# KiCad board SparkFun_BlueSMiRF-ESP32-PTH_panelized.kicad_pcb (continued)
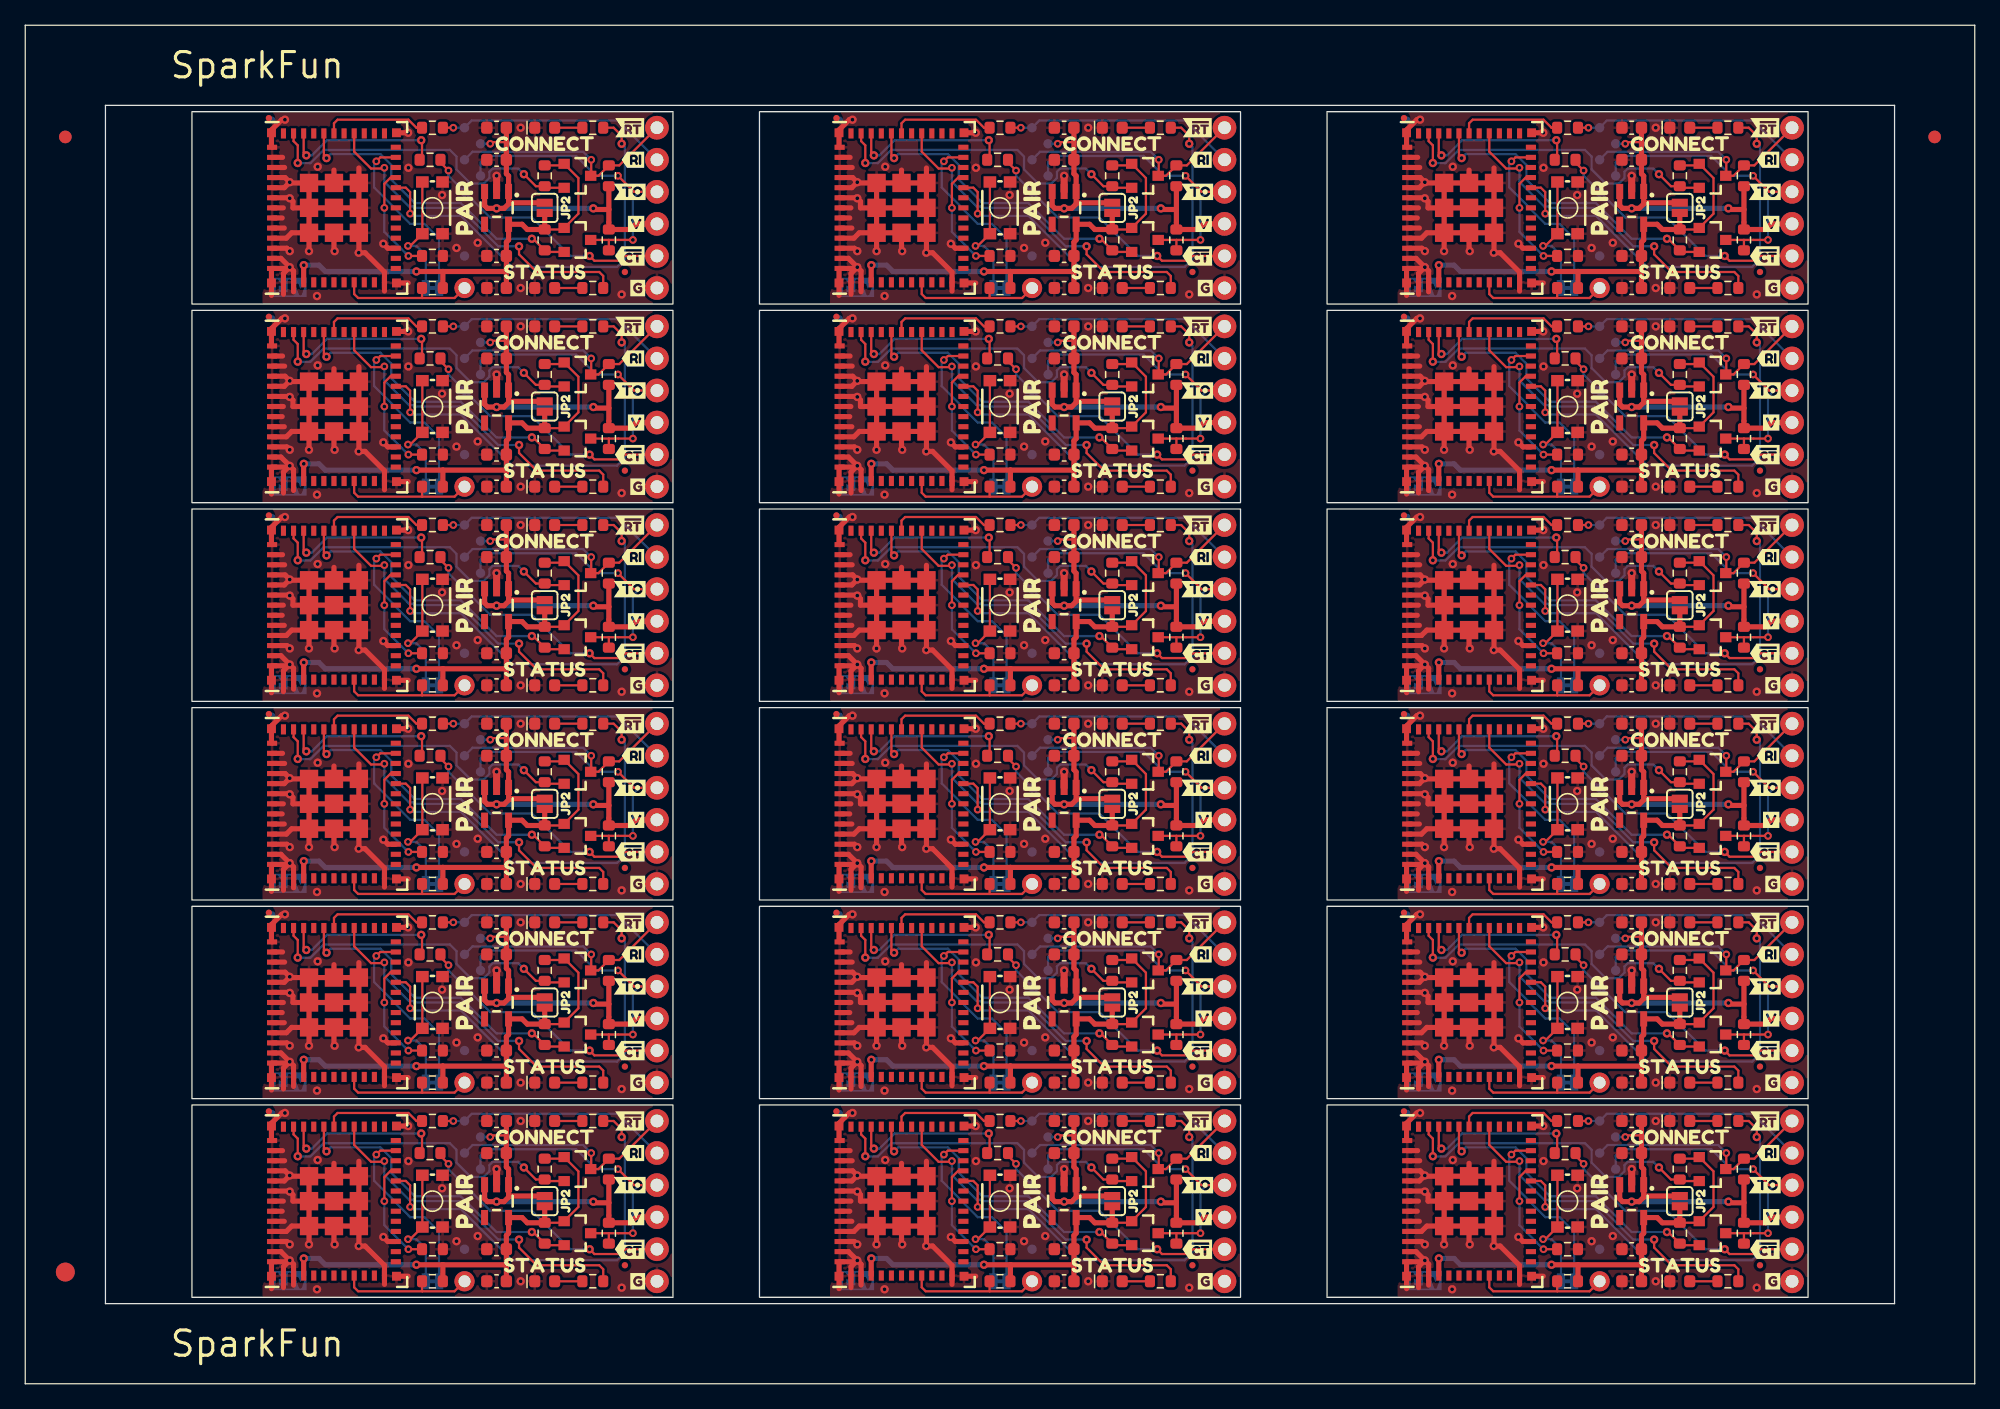
[diagram p0: board, top side]
## Routing (per net, layer and track width the routed paths; a pad name or vN(x,y) marks a point on that pad's centre or on a via; arc(x,y) is an arc through that point) (continued)
  Bottom w0.178: v1(68.81,81.37) 69.13,81.69 73.08,81.69 73.94,80.83 73.94,79.68 75.74,77.87 75.8,77.87 75.87,77.81 79.44,77.81 82.27,74.98 v1(85.07,74.98) ; v1(85.07,43.5) 82.27,43.5 79.44,46.33 75.87,46.33 75.8,46.39 75.74,46.39 73.94,48.2 73.94,49.35 73.08,50.21 69.13,50.21 v1(68.81,49.89) ; v1(85.07,59.24) 82.27,59.24 79.44,62.07 75.87,62.07 75.8,62.13 75.74,62.13 73.94,63.94 73.94,65.09 73.08,65.95 69.13,65.95 v1(68.81,65.63) ; v1(40.12,74.98) 37.32,74.98 34.49,77.81 30.92,77.81 30.85,77.87 30.79,77.87 28.99,79.68 28.99,80.83 28.13,81.69 24.18,81.69 v1(23.86,81.37) ; v1(113.76,65.63) 114.08,65.95 118.03,65.95 118.89,65.09 118.89,63.94 120.69,62.13 120.75,62.13 120.82,62.07 124.39,62.07 127.22,59.24 v1(130.02,59.24) ; v1(113.76,18.41) 114.08,18.73 118.03,18.73 118.89,17.87 118.89,16.72 120.69,14.91 120.75,14.91 120.82,14.85 124.39,14.85 127.22,12.02 v1(130.02,12.02) ; v1(130.02,90.72) 127.22,90.72 124.39,93.55 120.82,93.55 120.75,93.61 120.69,93.61 118.89,95.42 118.89,96.57 118.03,97.43 114.08,97.43 v1(113.76,97.11) ; v1(40.12,59.24) 37.32,59.24 34.49,62.07 30.92,62.07 30.85,62.13 30.79,62.13 28.99,63.94 28.99,65.09 28.13,65.95 24.18,65.95 v1(23.86,65.63) ; v1(23.86,18.41) 24.18,18.73 28.13,18.73 28.99,17.87 28.99,16.72 30.79,14.91 30.85,14.91 30.92,14.85 34.49,14.85 37.32,12.02 v1(40.12,12.02) ; v1(40.12,43.5) 37.32,43.5 34.49,46.33 30.92,46.33 30.85,46.39 30.79,46.39 28.99,48.2 28.99,49.35 28.13,50.21 24.18,50.21 v1(23.86,49.89) ; v1(130.02,43.5) 127.22,43.5 124.39,46.33 120.82,46.33 120.75,46.39 120.69,46.39 118.89,48.2 118.89,49.35 118.03,50.21 114.08,50.21 v1(113.76,49.89) ; v1(23.86,97.11) 24.18,97.43 28.13,97.43 28.99,96.57 28.99,95.42 30.79,93.61 30.85,93.61 30.92,93.55 34.49,93.55 37.32,90.72 v1(40.12,90.72) ; v1(40.12,27.76) 37.32,27.76 34.49,30.59 30.92,30.59 30.85,30.65 30.79,30.65 28.99,32.46 28.99,33.61 28.13,34.47 24.18,34.47 v1(23.86,34.15) ; v1(113.76,34.15) 114.08,34.47 118.03,34.47 118.89,33.61 118.89,32.46 120.69,30.65 120.75,30.65 120.82,30.59 124.39,30.59 127.22,27.76 v1(130.02,27.76) ; v1(85.07,12.02) 82.27,12.02 79.44,14.85 75.87,14.85 75.8,14.91 75.74,14.91 73.94,16.72 73.94,17.87 73.08,18.73 69.13,18.73 v1(68.81,18.41) ; v1(68.81,34.15) 69.13,34.47 73.08,34.47 73.94,33.61 73.94,32.46 75.74,30.65 75.8,30.65 75.87,30.59 79.44,30.59 82.27,27.76 v1(85.07,27.76) ; v1(130.02,74.98) 127.22,74.98 124.39,77.81 120.82,77.81 120.75,77.87 120.69,77.87 118.89,79.68 118.89,80.83 118.03,81.69 114.08,81.69 v1(113.76,81.37) ; v1(85.07,90.72) 82.27,90.72 79.44,93.55 75.87,93.55 75.8,93.61 75.74,93.61 73.94,95.42 73.94,96.57 73.08,97.43 69.13,97.43 v1(68.81,97.11)
~{CTS_HV}: length 377.8
  Top w0.178: v2(33.52,96.13) 32.88,96.76 R4#9.2 ; R4#6.2 32.88,33.8 v2(33.52,33.17) ; v1(44.7,73.62) 45.08,73.24 47.11,73.24 47.49,73.62 J1#11.5 ; 77.84,96.98 77.84,96.76 v2(78.47,96.13) ; R4#8.2 32.88,81.02 v2(33.52,80.39) ; v1(44.7,10.66) 45.08,10.28 47.11,10.28 47.49,10.66 J1#18.5 ; v1(44.7,42.14) 45.08,41.76 47.11,41.76 47.49,42.14 J1#3.5 ; J1.5 92.44,57.88 92.06,57.5 90.03,57.5 v1(89.65,57.88) ; R4#5.2 122.78,18.06 v2(123.42,17.43) ; 77.84,34.02 77.84,33.8 v2(78.47,33.17) ; R4#14.2 122.78,81.02 v2(123.42,80.39) ; v2(123.42,64.65) 122.78,65.28 R4#17.2 ; J1#9.5 137.39,42.14 137.01,41.76 134.98,41.76 v1(134.6,42.14) ; v1(89.65,10.66) 90.03,10.28 92.06,10.28 92.44,10.66 J1#8.5 ; v2(78.47,64.65) 77.84,65.28 77.84,65.5 ; v2(123.42,48.91) 122.78,49.54 R4#16.2 ; R4#15.2 122.78,33.8 v2(123.42,33.17) ; J1#15.5 92.44,42.14 92.06,41.76 90.03,41.76 v1(89.65,42.14) ; J1#6.5 137.39,10.66 137.01,10.28 134.98,10.28 v1(134.6,10.66) ; v1(89.65,73.62) 90.03,73.24 92.06,73.24 92.44,73.62 J1#5.5 ; R4#18.2 32.88,18.06 v2(33.52,17.43) ; J1#17.5 137.39,73.62 137.01,73.24 134.98,73.24 v1(134.6,73.62) ; J1#2.5 137.39,26.4 137.01,26.02 134.98,26.02 v1(134.6,26.4) ; J1#13.5 92.44,89.36 92.06,88.98 90.03,88.98 v1(89.65,89.36) ; J1#10.5 47.49,26.4 47.11,26.02 45.08,26.02 v1(44.7,26.4) ; v1(134.6,57.88) 134.98,57.5 137.01,57.5 137.39,57.88 J1#14.5 ; 77.84,18.28 77.84,18.06 v2(78.47,17.43) ; J1#4.5 47.49,57.88 47.11,57.5 45.08,57.5 v1(44.7,57.88) ; v2(78.47,48.91) 77.84,49.54 77.84,49.76 ; 77.84,81.24 77.84,81.02 v2(78.47,80.39) ; v2(33.52,48.91) 32.88,49.54 R4.2 ; v1(134.6,89.36) 134.98,88.98 137.01,88.98 137.39,89.36 J1#16.5 ; v2(123.42,96.13) 122.78,96.76 R4#13.2 ; v2(33.52,64.65) 32.88,65.28 R4#7.2 ; v1(89.65,26.4) 90.03,26.02 92.06,26.02 92.44,26.4 J1#12.5 ; v1(44.7,89.36) 45.08,88.98 47.11,88.98 47.49,89.36 J1#7.5
  Bottom w0.178: v1(134.6,10.66) 133.07,10.66 130.02,13.71 126.72,13.71 TP3#11.1 123.42,17.01 v2(123.42,17.43) ; v2(33.52,96.13) 33.52,95.71 TP3#8.1 36.82,92.41 40.12,92.41 43.17,89.36 v1(44.7,89.36) ; v2(123.42,48.91) 123.42,48.49 TP3#14.1 126.72,45.19 130.02,45.19 133.07,42.14 v1(134.6,42.14) ; v2(78.47,17.43) 78.47,17.01 TP3#2.1 81.77,13.71 85.07,13.71 88.12,10.66 v1(89.65,10.66) ; v1(89.65,57.88) 88.12,57.88 85.07,60.93 81.77,60.93 TP3#10.1 78.47,64.23 v2(78.47,64.65) ; v1(44.7,42.14) 43.17,42.14 40.12,45.19 36.82,45.19 TP3#6.1 33.52,48.49 v2(33.52,48.91) ; v1(89.65,42.14) 88.12,42.14 85.07,45.19 81.77,45.19 TP3#3.1 78.47,48.49 v2(78.47,48.91) ; v1(89.65,89.36) 88.12,89.36 85.07,92.41 81.77,92.41 TP3#16.1 78.47,95.71 v2(78.47,96.13) ; v1(134.6,57.88) 133.07,57.88 130.02,60.93 126.72,60.93 TP3#12.1 123.42,64.23 v2(123.42,64.65) ; v1(44.7,73.62) 43.17,73.62 40.12,76.67 36.82,76.67 TP3#5.1 33.52,79.97 v2(33.52,80.39) ; v1(89.65,26.4) 88.12,26.4 85.07,29.45 81.77,29.45 TP3#9.1 78.47,32.75 v2(78.47,33.17) ; v1(134.6,26.4) 133.07,26.4 130.02,29.45 126.72,29.45 TP3#17.1 123.42,32.75 v2(123.42,33.17) ; v1(44.7,26.4) 43.17,26.4 40.12,29.45 36.82,29.45 TP3#7.1 33.52,32.75 v2(33.52,33.17) ; v1(134.6,89.36) 133.07,89.36 130.02,92.41 126.72,92.41 TP3#15.1 123.42,95.71 v2(123.42,96.13) ; v2(33.52,17.43) 33.52,17.01 TP3#18.1 36.82,13.71 40.12,13.71 43.17,10.66 v1(44.7,10.66) ; v2(78.47,80.39) 78.47,79.97 TP3#4.1 81.77,76.67 85.07,76.67 88.12,73.62 v1(89.65,73.62) ; v2(33.52,64.65) 33.52,64.23 TP3.1 36.82,60.93 40.12,60.93 43.17,57.88 v1(44.7,57.88) ; v1(134.6,73.62) 133.07,73.62 130.02,76.67 126.72,76.67 TP3#13.1 123.42,79.97 v2(123.42,80.39)
~{CTS_LV}: length 234
  Top w0.178: 76.38,81.24 76.38,82.73 v1(76.31,82.79) ; v1(67.21,81.59) 67,81.8 U1#17.33 ; v1(22.26,50.11) 22.05,50.32 U1#2.33 ; U1#14.33 22.05,81.8 v1(22.26,81.59) ; 31.42,18.28 31.42,19.77 v1(31.36,19.83) ; 121.32,49.76 121.32,51.25 v1(121.26,51.31) ; v1(22.26,34.37) 22.05,34.58 U1.33 ; 76.38,34.02 76.38,35.51 v1(76.31,35.57) ; 31.42,81.24 31.42,82.73 v1(31.36,82.79) ; v1(67.21,50.11) 67,50.32 U1#12.33 ; U1#5.33 111.95,34.58 v1(112.16,34.37) ; 76.38,18.28 76.38,19.77 v1(76.31,19.83) ; 121.32,65.5 121.32,66.99 v1(121.26,67.05) ; v1(22.26,97.33) 22.05,97.54 U1#11.33 ; v1(112.16,81.59) 111.95,81.8 U1#10.33 ; 31.42,49.76 31.42,51.25 v1(31.36,51.31) ; v1(112.16,18.63) 111.95,18.84 U1#4.33 ; 121.32,96.98 121.32,98.47 v1(121.26,98.53) ; U1#3.33 22.05,66.06 v1(22.26,65.85) ; v1(67.21,65.85) 67,66.06 U1#6.33 ; v1(67.21,34.37) 67,34.58 U1#16.33 ; v1(31.36,67.05) 31.42,66.99 31.42,65.5 ; v1(121.26,82.79) 121.32,82.73 121.32,81.24 ; 76.38,96.98 76.38,98.47 v1(76.31,98.53) ; U1#8.33 67,18.84 v1(67.21,18.63) ; 76.38,65.5 76.38,66.99 v1(76.31,67.05) ; v1(121.26,35.57) 121.32,35.51 121.32,34.02 ; v1(22.26,18.63) 22.05,18.84 U1#18.33 ; 31.42,96.98 31.42,98.47 v1(31.36,98.53) ; v1(76.31,51.31) 76.38,51.25 76.38,49.76 ; U1#15.33 111.95,97.54 v1(112.16,97.33) ; v1(112.16,65.85) 111.95,66.06 U1#7.33 ; v1(121.26,19.83) 121.32,19.77 121.32,18.28 ; U1#9.33 67,97.54 v1(67.21,97.33) ; 31.42,34.02 31.42,35.51 v1(31.36,35.57) ; v1(112.16,50.11) 111.95,50.32 U1#13.33
  Bottom w0.178: v1(112.16,34.37) 112.6,34.37 113.8,35.57 v1(121.26,35.57) ; v1(67.21,34.37) 67.65,34.37 68.85,35.57 v1(76.31,35.57) ; v1(31.36,82.79) 23.9,82.79 22.7,81.59 v1(22.26,81.59) ; v1(31.36,98.53) 23.9,98.53 22.7,97.33 v1(22.26,97.33) ; v1(76.31,19.83) 68.85,19.83 67.65,18.63 v1(67.21,18.63) ; v1(67.21,81.59) 67.65,81.59 68.85,82.79 v1(76.31,82.79) ; v1(22.26,65.85) 22.7,65.85 23.9,67.05 v1(31.36,67.05) ; v1(112.16,81.59) 112.6,81.59 113.8,82.79 v1(121.26,82.79) ; v1(22.26,50.11) 22.7,50.11 23.9,51.31 v1(31.36,51.31) ; v1(112.16,18.63) 112.6,18.63 113.8,19.83 v1(121.26,19.83) ; v1(31.36,35.57) 23.9,35.57 22.7,34.37 v1(22.26,34.37) ; v1(76.31,98.53) 68.85,98.53 67.65,97.33 v1(67.21,97.33) ; v1(121.26,98.53) 113.8,98.53 112.6,97.33 v1(112.16,97.33) ; v1(22.26,18.63) 22.7,18.63 23.9,19.83 v1(31.36,19.83) ; v1(121.26,67.05) 113.8,67.05 112.6,65.85 v1(112.16,65.85) ; v1(67.21,65.85) 67.65,65.85 68.85,67.05 v1(76.31,67.05) ; v1(76.31,51.31) 68.85,51.31 67.65,50.11 v1(67.21,50.11) ; v1(112.16,50.11) 112.6,50.11 113.8,51.31 v1(121.26,51.31)
~{RTS_HV}: length 336.2
  Top w0.178: v2(134.72,65.5) 134.72,64.27 Q2#16.3 135.29,64.23 R10#7.2 136.94,65.06 J1#14.1 ; v2(44.82,18.28) 44.82,17.05 Q2#18.3 45.4,17.01 R10#18.2 47.04,17.84 J1#18.1 ; v2(134.72,81.24) 134.72,80.01 Q2#5.3 135.29,79.97 R10#3.2 136.94,80.8 J1#17.1 ; v2(89.77,81.24) 89.77,80.01 Q2#2.3 90.34,79.97 R10#15.2 92,80.8 J1#5.1 ; J1#9.1 136.94,49.32 R10#2.2 135.29,48.49 Q2#15.3 134.72,48.53 v2(134.72,49.76) ; J1#4.1 47.04,65.06 R10#10.2 45.4,64.23 Q2#6.3 44.82,64.27 v2(44.82,65.5) ; v2(134.72,34.02) 134.72,32.79 Q2#14.3 135.29,32.75 R10#4.2 136.94,33.58 J1#2.1 ; J1#6.1 136.94,17.84 R10#13.2 135.29,17.01 Q2#13.3 134.72,17.05 v2(134.72,18.28) ; v2(89.77,18.28) 89.77,17.05 Q2#8.3 90.34,17.01 R10#14.2 92,17.84 J1#8.1 ; J1.1 92,65.06 R10#11.2 90.34,64.23 Q2#4.3 89.77,64.27 v2(89.77,65.5) ; J1#11.1 47.04,80.8 R10#12.2 45.4,79.97 Q2.3 44.82,80.01 v2(44.82,81.24) ; v2(89.77,96.98) 89.77,95.75 Q2#12.3 90.34,95.71 91.17,96.53 92,96.53 J1#13.1 ; v2(44.82,96.98) 44.82,95.75 Q2#7.3 45.4,95.71 46.22,96.53 47.04,96.53 J1#7.1 ; v2(134.72,96.98) 134.72,95.75 Q2#17.3 135.29,95.71 136.12,96.53 136.94,96.53 J1#16.1 ; v2(44.82,49.76) 44.82,48.53 Q2#9.3 45.4,48.49 R10#8.2 47.04,49.32 J1#3.1 ; v2(44.82,34.02) 44.82,32.79 Q2#3.3 45.4,32.75 R10#5.2 47.04,33.58 J1#10.1 ; J1#15.1 92,49.32 R10#17.2 90.34,48.49 Q2#11.3 89.77,48.53 v2(89.77,49.76) ; J1#12.1 92,33.58 R10#9.2 90.34,32.75 Q2#10.3 89.77,32.79 v2(89.77,34.02)
  Bottom w0.178: v2(89.77,18.28) 89.14,18.92 80.38,18.92 TP5#7.1 ; TP5#18.1 35.42,18.92 44.19,18.92 v2(44.82,18.28) ; TP5#9.1 80.38,81.88 89.14,81.88 v2(89.77,81.24) ; v2(134.72,18.28) 134.09,18.92 125.32,18.92 TP5#14.1 ; v2(134.72,81.24) 134.09,81.88 125.32,81.88 TP5#17.1 ; v2(89.77,34.02) 89.14,34.66 80.38,34.66 TP5#4.1 ; v2(44.82,34.02) 44.19,34.66 35.42,34.66 TP5#6.1 ; TP5#13.1 35.42,81.88 44.19,81.88 v2(44.82,81.24) ; TP5#15.1 125.32,34.66 134.09,34.66 v2(134.72,34.02) ; v2(89.77,96.98) 89.14,97.62 80.38,97.62 TP5#10.1 ; TP5#11.1 35.42,50.4 44.19,50.4 v2(44.82,49.76) ; v2(134.72,49.76) 134.09,50.4 125.32,50.4 TP5#3.1 ; v2(44.82,65.5) 44.19,66.14 35.42,66.14 TP5.1 ; TP5#5.1 125.32,97.62 134.09,97.62 v2(134.72,96.98) ; v2(89.77,65.5) 89.14,66.14 80.38,66.14 TP5#8.1 ; TP5#12.1 35.42,97.62 44.19,97.62 v2(44.82,96.98) ; v2(89.77,49.76) 89.14,50.4 80.38,50.4 TP5#2.1 ; TP5#16.1 125.32,66.14 134.09,66.14 v2(134.72,65.5)
~{RTS_LV}: length 488.3
  Top w0.178: U1#11.34 21.25,98.46 21.58,98.12 v1(21.58,96.73) ; Q2#4.2 86.22,63.28 R8#9.2 85.39,63.41 v1(84.44,64.36) ; v1(84.44,95.84) 85.39,94.89 R8#11.2 86.22,94.76 Q2#12.2 ; v1(129.39,95.84) 130.34,94.89 R8#16.2 131.16,94.76 Q2#17.2 ; v1(39.49,64.36) 40.44,63.41 R8#3.2 41.26,63.28 Q2#6.2 ; v1(21.58,33.77) 21.58,35.16 21.25,35.5 U1.34 ; Q2#18.2 41.26,16.06 R8#18.2 40.44,16.19 v1(39.49,17.14) ; Q2#8.2 86.22,16.06 R8#8.2 85.39,16.19 v1(84.44,17.14) ; v1(129.39,32.88) 130.34,31.93 131.04,31.93 131.16,31.8 Q2#14.2 ; U1#6.34 66.2,66.98 66.53,66.64 v1(66.53,65.25) ; v1(129.39,80.1) 130.34,79.15 131.04,79.15 131.16,79.02 Q2#5.2 ; v1(21.58,49.51) 21.58,50.9 21.25,51.24 U1#2.34 ; U1#18.34 21.25,19.76 21.58,19.42 v1(21.58,18.03) ; U1#8.34 66.2,19.76 66.53,19.42 v1(66.53,18.03) ; Q2#11.2 86.22,47.54 R8#7.2 85.39,47.67 v1(84.44,48.62) ; v1(39.49,32.88) 40.44,31.93 41.14,31.93 41.26,31.8 Q2#3.2 ; Q2#9.2 41.26,47.54 R8.2 40.44,47.67 v1(39.49,48.62) ; v1(129.39,48.62) 130.34,47.67 R8#14.2 131.16,47.54 Q2#15.2 ; U1#5.34 111.15,35.5 111.48,35.16 v1(111.48,33.77) ; U1#17.34 66.2,82.72 66.53,82.38 v1(66.53,80.99) ; v1(111.48,49.51) 111.48,50.9 111.15,51.24 U1#13.34 ; v1(111.48,80.99) 111.48,82.38 111.15,82.72 U1#10.34 ; v1(84.44,80.1) 85.39,79.15 86.09,79.15 86.22,79.02 Q2#2.2 ; Q2#10.2 86.22,31.8 86.09,31.93 85.39,31.93 v1(84.44,32.88) ; U1#15.34 111.15,98.46 111.48,98.12 v1(111.48,96.73) ; U1#14.34 21.25,82.72 21.58,82.38 v1(21.58,80.99) ; v1(129.39,17.14) 130.34,16.19 R8#12.2 131.16,16.06 Q2#13.2 ; v1(39.49,80.1) 40.44,79.15 41.14,79.15 41.26,79.02 Q2.2 ; U1#7.34 111.15,66.98 111.48,66.64 v1(111.48,65.25) ; v1(66.53,33.77) 66.53,35.16 66.2,35.5 U1#16.34 ; U1#9.34 66.2,98.46 66.53,98.12 v1(66.53,96.73) ; U1#3.34 21.25,66.98 21.58,66.64 v1(21.58,65.25) ; v1(111.48,18.03) 111.48,19.42 111.15,19.76 U1#4.34 ; v1(66.53,49.51) 66.53,50.9 66.2,51.24 U1#12.34 ; Q2#16.2 131.16,63.28 R8#15.2 130.34,63.41 v1(129.39,64.36) ; Q2#7.2 41.26,94.76 R8#5.2 40.44,94.89 v1(39.49,95.84)
  Bottom w0.178: v1(21.58,18.03) 21.6,18.01 22.58,18.01 23.63,19.06 33.63,19.06 34.16,18.53 34.16,17.52 35.28,16.39 36.32,16.39 36.76,16.84 36.76,17.33 37.01,17.58 39.04,17.58 v1(39.49,17.14) ; v1(129.39,80.1) 128.94,80.54 126.91,80.54 126.66,80.29 126.66,79.8 126.22,79.35 125.18,79.35 124.06,80.48 124.06,81.49 123.53,82.02 113.53,82.02 112.48,80.97 111.5,80.97 v1(111.48,80.99) ; v1(84.44,80.1) 83.99,80.54 81.96,80.54 81.71,80.29 81.71,79.8 81.27,79.35 80.23,79.35 79.1,80.48 79.1,81.49 78.58,82.02 68.58,82.02 67.53,80.97 66.55,80.97 v1(66.53,80.99) ; v1(66.53,49.51) 66.55,49.49 67.53,49.49 68.58,50.54 78.58,50.54 79.1,50.01 79.1,49 80.23,47.87 81.27,47.87 81.71,48.32 81.71,48.81 81.96,49.06 83.99,49.06 v1(84.44,48.62) ; v1(21.58,33.77) 21.6,33.75 22.58,33.75 23.63,34.8 33.63,34.8 34.16,34.27 34.16,33.26 35.28,32.13 36.32,32.13 36.76,32.58 36.76,33.07 37.01,33.32 39.04,33.32 v1(39.49,32.88) ; v1(84.44,32.88) 83.99,33.32 81.96,33.32 81.71,33.07 81.71,32.58 81.27,32.13 80.23,32.13 79.1,33.26 79.1,34.27 78.58,34.8 68.58,34.8 67.53,33.75 66.55,33.75 v1(66.53,33.77) ; v1(111.48,49.51) 111.5,49.49 112.48,49.49 113.53,50.54 123.53,50.54 124.06,50.01 124.06,49 125.18,47.87 126.22,47.87 126.66,48.32 126.66,48.81 126.91,49.06 128.94,49.06 v1(129.39,48.62) ; v1(21.58,49.51) 21.6,49.49 22.58,49.49 23.63,50.54 33.63,50.54 34.16,50.01 34.16,49 35.28,47.87 36.32,47.87 36.76,48.32 36.76,48.81 37.01,49.06 39.04,49.06 v1(39.49,48.62) ; v1(84.44,17.14) 83.99,17.58 81.96,17.58 81.71,17.33 81.71,16.84 81.27,16.39 80.23,16.39 79.1,17.52 79.1,18.53 78.58,19.06 68.58,19.06 67.53,18.01 66.55,18.01 v1(66.53,18.03) ; v1(111.48,65.25) 111.5,65.23 112.48,65.23 113.53,66.28 123.53,66.28 124.06,65.75 124.06,64.74 125.18,63.61 126.22,63.61 126.66,64.06 126.66,64.55 126.91,64.8 128.94,64.8 v1(129.39,64.36) ; v1(21.58,65.25) 21.6,65.23 22.58,65.23 23.63,66.28 33.63,66.28 34.16,65.75 34.16,64.74 35.28,63.61 36.32,63.61 36.76,64.06 36.76,64.55 37.01,64.8 39.04,64.8 v1(39.49,64.36) ; v1(66.53,65.25) 66.55,65.23 67.53,65.23 68.58,66.28 78.58,66.28 79.1,65.75 79.1,64.74 80.23,63.61 81.27,63.61 81.71,64.06 81.71,64.55 81.96,64.8 83.99,64.8 v1(84.44,64.36) ; v1(129.39,95.84) 128.94,96.28 126.91,96.28 126.66,96.03 126.66,95.54 126.22,95.09 125.18,95.09 124.06,96.22 124.06,97.23 123.53,97.76 113.53,97.76 112.48,96.71 111.5,96.71 v1(111.48,96.73) ; v1(129.39,17.14) 128.94,17.58 126.91,17.58 126.66,17.33 126.66,16.84 126.22,16.39 125.18,16.39 124.06,17.52 124.06,18.53 123.53,19.06 113.53,19.06 112.48,18.01 111.5,18.01 v1(111.48,18.03) ; v1(84.44,95.84) 83.99,96.28 81.96,96.28 81.71,96.03 81.71,95.54 81.27,95.09 80.23,95.09 79.1,96.22 79.1,97.23 78.58,97.76 68.58,97.76 67.53,96.71 66.55,96.71 v1(66.53,96.73) ; v1(39.49,80.1) 39.04,80.54 37.01,80.54 36.76,80.29 36.76,79.8 36.32,79.35 35.28,79.35 34.16,80.48 34.16,81.49 33.63,82.02 23.63,82.02 22.58,80.97 21.6,80.97 v1(21.58,80.99) ; v1(21.58,96.73) 21.6,96.71 22.58,96.71 23.63,97.76 33.63,97.76 34.16,97.23 34.16,96.22 35.28,95.09 36.32,95.09 36.76,95.54 36.76,96.03 37.01,96.28 39.04,96.28 v1(39.49,95.84) ; v1(111.48,33.77) 111.5,33.75 112.48,33.75 113.53,34.8 123.53,34.8 124.06,34.27 124.06,33.26 125.18,32.13 126.22,32.13 126.66,32.58 126.66,33.07 126.91,33.32 128.94,33.32 v1(129.39,32.88)
Net-(D1-A): length 39.6
  Top w0.178: D1.2 R5#16.2 ; D1#16.2 R5#4.2 ; D1#12.2 R5#17.2 ; D1#18.2 R5#18.2 ; D1#2.2 R5#13.2 ; D1#11.2 R5#11.2 ; D1#15.2 R5#7.2 ; D1#13.2 R5#14.2 ; D1#5.2 R5#15.2 ; D1#4.2 R5#2.2 ; D1#17.2 R5#10.2 ; D1#10.2 R5#8.2 ; D1#3.2 R5#9.2 ; D1#7.2 R5#6.2 ; D1#9.2 R5#3.2 ; D1#14.2 R5#5.2 ; D1#8.2 R5#12.2 ; D1#6.2 R5.2
Net-(D2-A): length 39.6
  Top w0.178: R6#17.2 D2#17.2 ; R6#4.2 D2#4.2 ; R6#10.2 D2#11.2 ; R6#18.2 D2#18.2 ; R6#13.2 D2#2.2 ; R6#9.2 D2.2 ; R6.2 D2#9.2 ; R6#8.2 D2#16.2 ; R6#11.2 D2#14.2 ; R6#2.2 D2#6.2 ; R6#12.2 D2#15.2 ; R6#14.2 D2#10.2 ; R6#16.2 D2#7.2 ; R6#6.2 D2#3.2 ; R6#15.2 D2#8.2 ; R6#3.2 D2#5.2 ; R6#5.2 D2#13.2 ; R6#7.2 D2#12.2
Net-(JP1-A): length 179.1
  Top w0.178: SW1#12.1 SW1#12.1 120.39,42.94 v2(120.21,42.94) ; SW1#8.1 SW1#8.1 75.44,90.16 v2(75.26,90.16) ; SW1#18.1 SW1#18.1 30.49,11.46 v2(30.31,11.46) ; SW1#10.1 SW1#10.1 75.44,74.42 v2(75.26,74.42) ; v2(75.26,58.68) 75.44,58.68 SW1#16.1 SW1#16.1 ; v2(30.31,42.94) 30.49,42.94 SW1#4.1 SW1#4.1 ; SW1#6.1 SW1#6.1 75.44,11.46 v2(75.26,11.46) ; SW1#2.1 SW1#2.1 75.44,27.2 v2(75.26,27.2) ; v2(120.21,74.42) 120.39,74.42 SW1#13.1 SW1#13.1 ; v2(120.21,90.16) 120.39,90.16 SW1#15.1 SW1#15.1 ; SW1#9.1 SW1#9.1 120.39,11.46 v2(120.21,11.46) ; SW1#14.1 SW1#14.1 120.39,27.2 v2(120.21,27.2) ; SW1#5.1 SW1#5.1 30.49,58.68 v2(30.31,58.68) ; v2(30.31,27.2) 30.49,27.2 SW1#11.1 SW1#11.1 ; v2(120.21,58.68) 120.39,58.68 SW1#17.1 SW1#17.1 ; v2(30.31,74.42) 30.49,74.42 SW1#3.1 SW1#3.1 ; SW1.1 SW1.1 75.44,42.94 v2(75.26,42.94) ; v2(30.31,90.16) 30.49,90.16 SW1#7.1 SW1#7.1
  Bottom w0.178: v2(120.21,42.94) 120.88,42.94 121.63,42.19 JP1#12.1 ; JP1#18.1 31.73,10.71 30.98,11.46 v2(30.31,11.46) ; v2(30.31,42.94) 30.98,42.94 31.73,42.19 JP1.1 ; v2(120.21,11.46) 120.88,11.46 121.63,10.71 JP1#16.1 ; JP1#17.1 121.63,73.67 120.88,74.42 v2(120.21,74.42) ; v2(75.26,42.94) 75.93,42.94 76.68,42.19 JP1#5.1 ; v2(75.26,58.68) 75.93,58.68 76.68,57.93 JP1#6.1 ; v2(75.26,11.46) 75.93,11.46 76.68,10.71 JP1#3.1 ; v2(30.31,90.16) 30.98,90.16 31.73,89.41 JP1#10.1 ; v2(30.31,58.68) 30.98,58.68 31.73,57.93 JP1#2.1 ; v2(30.31,74.42) 30.98,74.42 31.73,73.67 JP1#9.1 ; v2(120.21,90.16) 120.88,90.16 121.63,89.41 JP1#14.1 ; JP1#15.1 121.63,26.45 120.88,27.2 v2(120.21,27.2) ; v2(75.26,27.2) 75.93,27.2 76.68,26.45 JP1#4.1 ; v2(75.26,74.42) 75.93,74.42 76.68,73.67 JP1#8.1 ; v2(30.31,27.2) 30.98,27.2 31.73,26.45 JP1#7.1 ; JP1#13.1 121.63,57.93 120.88,58.68 v2(120.21,58.68) ; JP1#11.1 76.68,89.41 75.93,90.16 v2(75.26,90.16)
Net-(U1-EN): length 196.6
  Top w0.178: R1#14.2 76.38,23.09 76.39,23.07 ; TP1#12.1 78.95,86.03 76.39,86.03 ; U1#9.8 71,86.34 71.31,86.03 76.39,86.03 ; U1#17.8 71,70.6 71.31,70.29 76.39,70.29 ; 76.39,23.07 71.31,23.07 71,23.38 U1#16.8 ; 76.39,23.07 78.95,23.07 TP1#8.1 ; U1#11.8 26.05,86.34 26.36,86.03 31.44,86.03 ; R1#5.2 76.38,70.31 76.39,70.29 ; TP1#13.1 123.9,23.07 121.34,23.07 ; 121.34,7.33 121.32,7.35 121.32,8.12 ; 121.34,7.33 123.9,7.33 TP1#4.1 ; 121.34,7.33 116.26,7.33 115.95,7.64 U1#4.8 ; 76.39,38.81 71.31,38.81 71,39.12 U1#12.8 ; 76.39,38.81 78.95,38.81 TP1#9.1 ; 76.39,38.81 76.38,38.83 R1#2.2 ; U1#8.8 71,7.64 71.31,7.33 76.39,7.33 ; 121.34,86.03 116.26,86.03 115.95,86.34 U1#15.8 ; 121.34,86.03 123.9,86.03 TP1#16.1 ; 121.34,86.03 121.32,86.05 121.32,86.82 ; 31.44,38.81 26.36,38.81 26.05,39.12 U1#2.8 ; 31.44,38.81 34,38.81 TP1.1 ; 31.44,38.81 31.42,38.83 31.42,39.6 ; 121.34,23.07 116.26,23.07 115.95,23.38 U1#5.8 ; 121.34,23.07 121.32,23.09 121.32,23.86 ; 76.39,54.55 76.38,54.57 R1#7.2 ; 76.39,54.55 71.31,54.55 71,54.86 U1#6.8 ; 76.39,54.55 78.95,54.55 TP1#11.1 ; 121.34,38.81 116.26,38.81 115.95,39.12 U1#13.8 ; 121.34,38.81 121.32,38.83 121.32,39.6 ; 121.34,38.81 123.9,38.81 TP1#14.1 ; U1#18.8 26.05,7.64 26.36,7.33 31.44,7.33 ; 121.34,70.29 121.32,70.31 121.32,71.08 ; 121.34,70.29 123.9,70.29 TP1#17.1 ; 121.34,70.29 116.26,70.29 115.95,70.6 U1#10.8 ; 76.39,70.29 78.95,70.29 TP1#3.1 ; 31.44,70.29 26.36,70.29 26.05,70.6 U1#14.8 ; 31.44,70.29 34,70.29 TP1#7.1 ; 31.44,70.29 31.42,70.31 31.42,71.08 ; R1#4.2 76.38,86.05 76.39,86.03 ; 121.34,54.55 123.9,54.55 TP1#15.1 ; 121.34,54.55 116.26,54.55 115.95,54.86 U1#7.8 ; 121.34,54.55 121.32,54.57 121.32,55.34 ; 31.42,8.12 31.42,7.35 31.44,7.33 ; 31.44,23.07 31.42,23.09 31.42,23.86 ; 31.44,23.07 34,23.07 TP1#6.1 ; 31.44,23.07 26.36,23.07 26.05,23.38 U1.8 ; 31.42,55.34 31.42,54.57 31.44,54.55 ; TP1#2.1 78.95,7.33 76.39,7.33 ; R1#17.2 76.38,7.35 76.39,7.33 ; 31.44,7.33 34,7.33 TP1#18.1 ; 31.44,86.03 31.42,86.05 31.42,86.82 ; 31.44,86.03 34,86.03 TP1#10.1 ; 31.44,54.55 26.36,54.55 26.05,54.86 U1#3.8 ; 31.44,54.55 34,54.55 TP1#5.1
Net-(U1-IOA15): length 156.7
  Top w0.178: U1#15.21 118.84,95.57 118.34,95.08 v2(118.34,93.17) ; v2(28.44,61.69) 28.44,63.6 28.94,64.09 U1#3.21 ; 31.42,10.66 v2(30.34,10.66) ; v2(118.34,30.21) 118.34,32.12 118.84,32.61 U1#5.21 ; U1#7.21 118.84,64.09 118.34,63.6 v2(118.34,61.69) ; v2(73.39,45.95) 73.39,47.86 73.88,48.35 U1#12.21 ; 31.42,89.36 v2(30.34,89.36) ; R2#13.1 v2(75.29,73.62) ; 31.42,26.4 v2(30.34,26.4) ; v2(118.34,77.43) 118.34,79.34 118.84,79.83 U1#10.21 ; U1#14.21 28.94,79.83 28.44,79.34 v2(28.44,77.43) ; 121.32,73.62 v2(120.25,73.62) ; 121.32,26.4 v2(120.25,26.4) ; R2#2.1 v2(75.29,42.14) ; 31.42,57.88 v2(30.34,57.88) ; 31.42,73.62 v2(30.34,73.62) ; U1#18.21 28.94,16.87 28.44,16.38 v2(28.44,14.47) ; 121.32,57.88 v2(120.25,57.88) ; U1#17.21 73.88,79.83 73.39,79.34 v2(73.39,77.43) ; v2(28.44,30.21) 28.44,32.12 28.94,32.61 U1.21 ; U1#9.21 73.88,95.57 73.39,95.08 v2(73.39,93.17) ; 121.32,89.36 v2(120.25,89.36) ; R2#11.1 v2(75.29,26.4) ; U1#8.21 73.88,16.87 73.39,16.38 v2(73.39,14.47) ; R2#3.1 v2(75.29,89.36) ; 31.42,42.14 v2(30.34,42.14) ; v2(73.39,30.21) 73.39,32.12 73.88,32.61 U1#16.21 ; U1#11.21 28.94,95.57 28.44,95.08 v2(28.44,93.17) ; U1#4.21 118.84,16.87 118.34,16.38 v2(118.34,14.47) ; U1#6.21 73.88,64.09 73.39,63.6 v2(73.39,61.69) ; R2#12.1 v2(75.29,57.88) ; 121.32,10.66 v2(120.25,10.66) ; U1#13.21 118.84,48.35 118.34,47.86 v2(118.34,45.95) ; 121.32,42.14 v2(120.25,42.14) ; U1#2.21 28.94,48.35 28.44,47.86 v2(28.44,45.95) ; R2#10.1 v2(75.29,10.66)
  Bottom w0.178: v2(118.34,77.43) 118.34,75.53 119.67,74.2 119.67,74.19 119.99,73.87 119.99,73.87 v2(120.25,73.62) ; v2(28.44,77.43) 28.44,75.53 29.77,74.2 29.77,74.19 30.09,73.87 30.09,73.87 v2(30.34,73.62) ; v2(73.39,61.69) 73.39,59.79 74.72,58.46 74.72,58.45 75.04,58.13 75.04,58.13 v2(75.29,57.88) ; v2(28.44,61.69) 28.44,59.79 29.77,58.46 29.77,58.45 30.09,58.13 30.09,58.13 v2(30.34,57.88) ; v2(28.44,45.95) 28.44,44.05 29.77,42.72 29.77,42.71 30.09,42.39 30.09,42.39 v2(30.34,42.14) ; v2(120.25,26.4) 119.99,26.65 119.99,26.65 119.67,26.97 119.67,26.98 118.34,28.31 v2(118.34,30.21) ; v2(30.34,26.4) 30.09,26.65 30.09,26.65 29.77,26.97 29.77,26.98 28.44,28.31 v2(28.44,30.21) ; v2(118.34,61.69) 118.34,59.79 119.67,58.46 119.67,58.45 119.99,58.13 119.99,58.13 v2(120.25,57.88) ; v2(30.34,89.36) 30.09,89.61 30.09,89.61 29.77,89.93 29.77,89.94 28.44,91.27 v2(28.44,93.17) ; v2(28.44,14.47) 28.44,12.57 29.77,11.24 29.77,11.23 30.09,10.91 30.09,10.91 v2(30.34,10.66) ; v2(73.39,93.17) 73.39,91.27 74.72,89.94 74.72,89.93 75.04,89.61 75.04,89.61 v2(75.29,89.36) ; v2(73.39,14.47) 73.39,12.57 74.72,11.24 74.72,11.23 75.04,10.91 75.04,10.91 v2(75.29,10.66) ; v2(73.39,30.21) 73.39,28.31 74.72,26.98 74.72,26.97 75.04,26.65 75.04,26.65 v2(75.29,26.4) ; v2(120.25,42.14) 119.99,42.39 119.99,42.39 119.67,42.71 119.67,42.72 118.34,44.05 v2(118.34,45.95) ; v2(73.39,45.95) 73.39,44.05 74.72,42.72 74.72,42.71 75.04,42.39 75.04,42.39 v2(75.29,42.14) ; v2(73.39,77.43) 73.39,75.53 74.72,74.2 74.72,74.19 75.04,73.87 75.04,73.87 v2(75.29,73.62) ; v2(120.25,10.66) 119.99,10.91 119.99,10.91 119.67,11.23 119.67,11.24 118.34,12.57 v2(118.34,14.47) ; v2(120.25,89.36) 119.99,89.61 119.99,89.61 119.67,89.93 119.67,89.94 118.34,91.27 v2(118.34,93.17)
